# KiCad board Neopixel_Mini_Controller.kicad_pcb
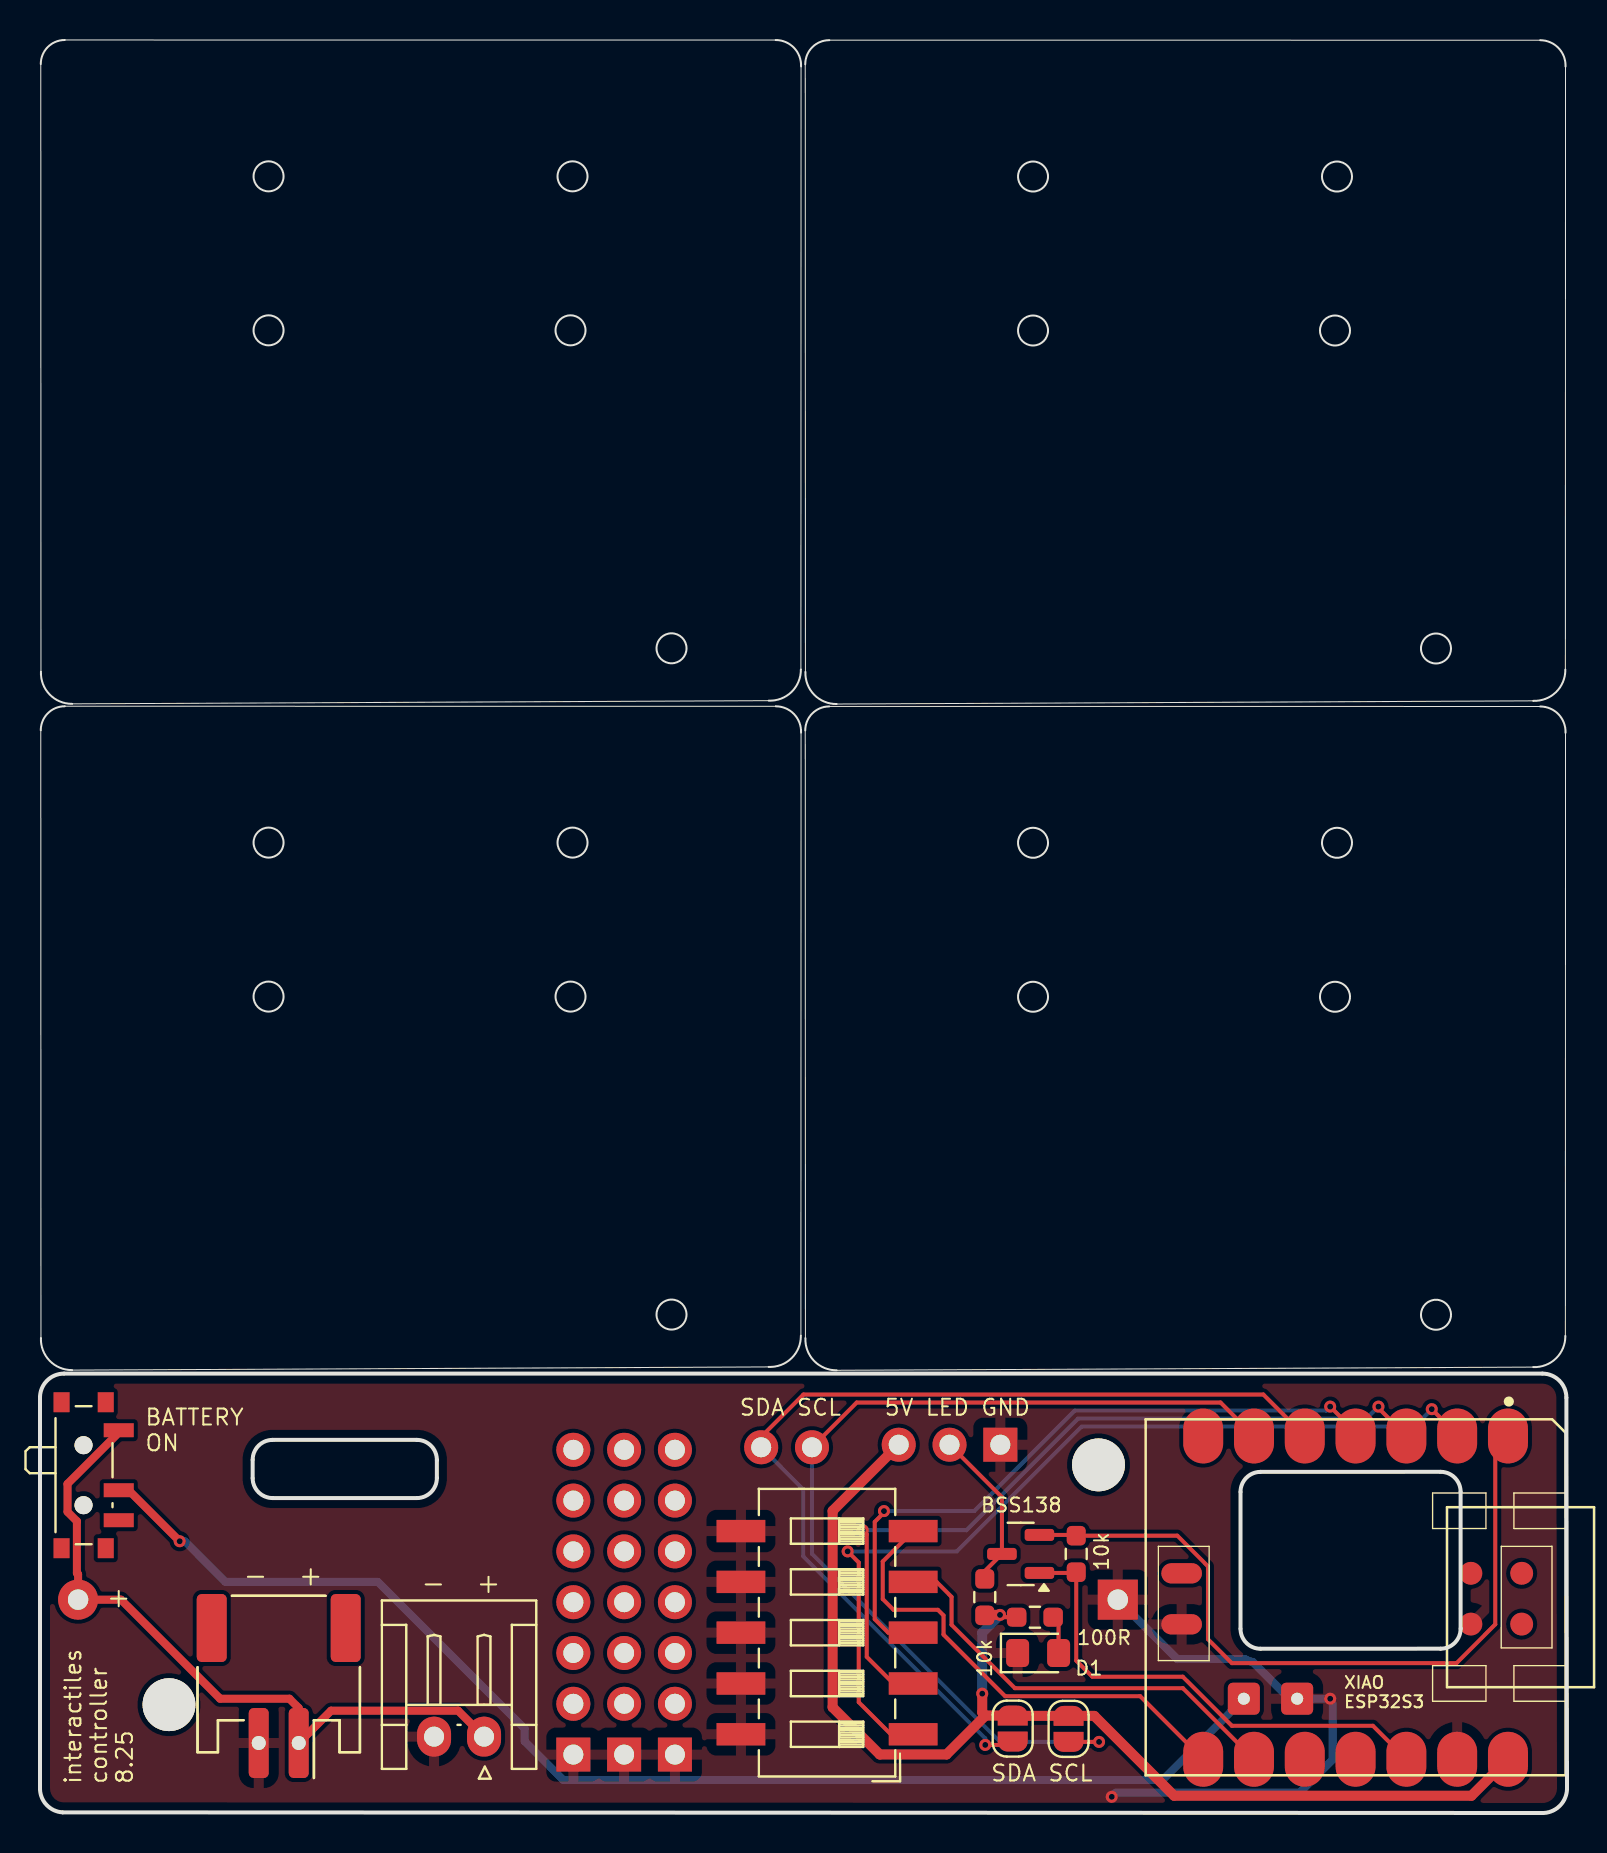
[diagram p0: board, top side]
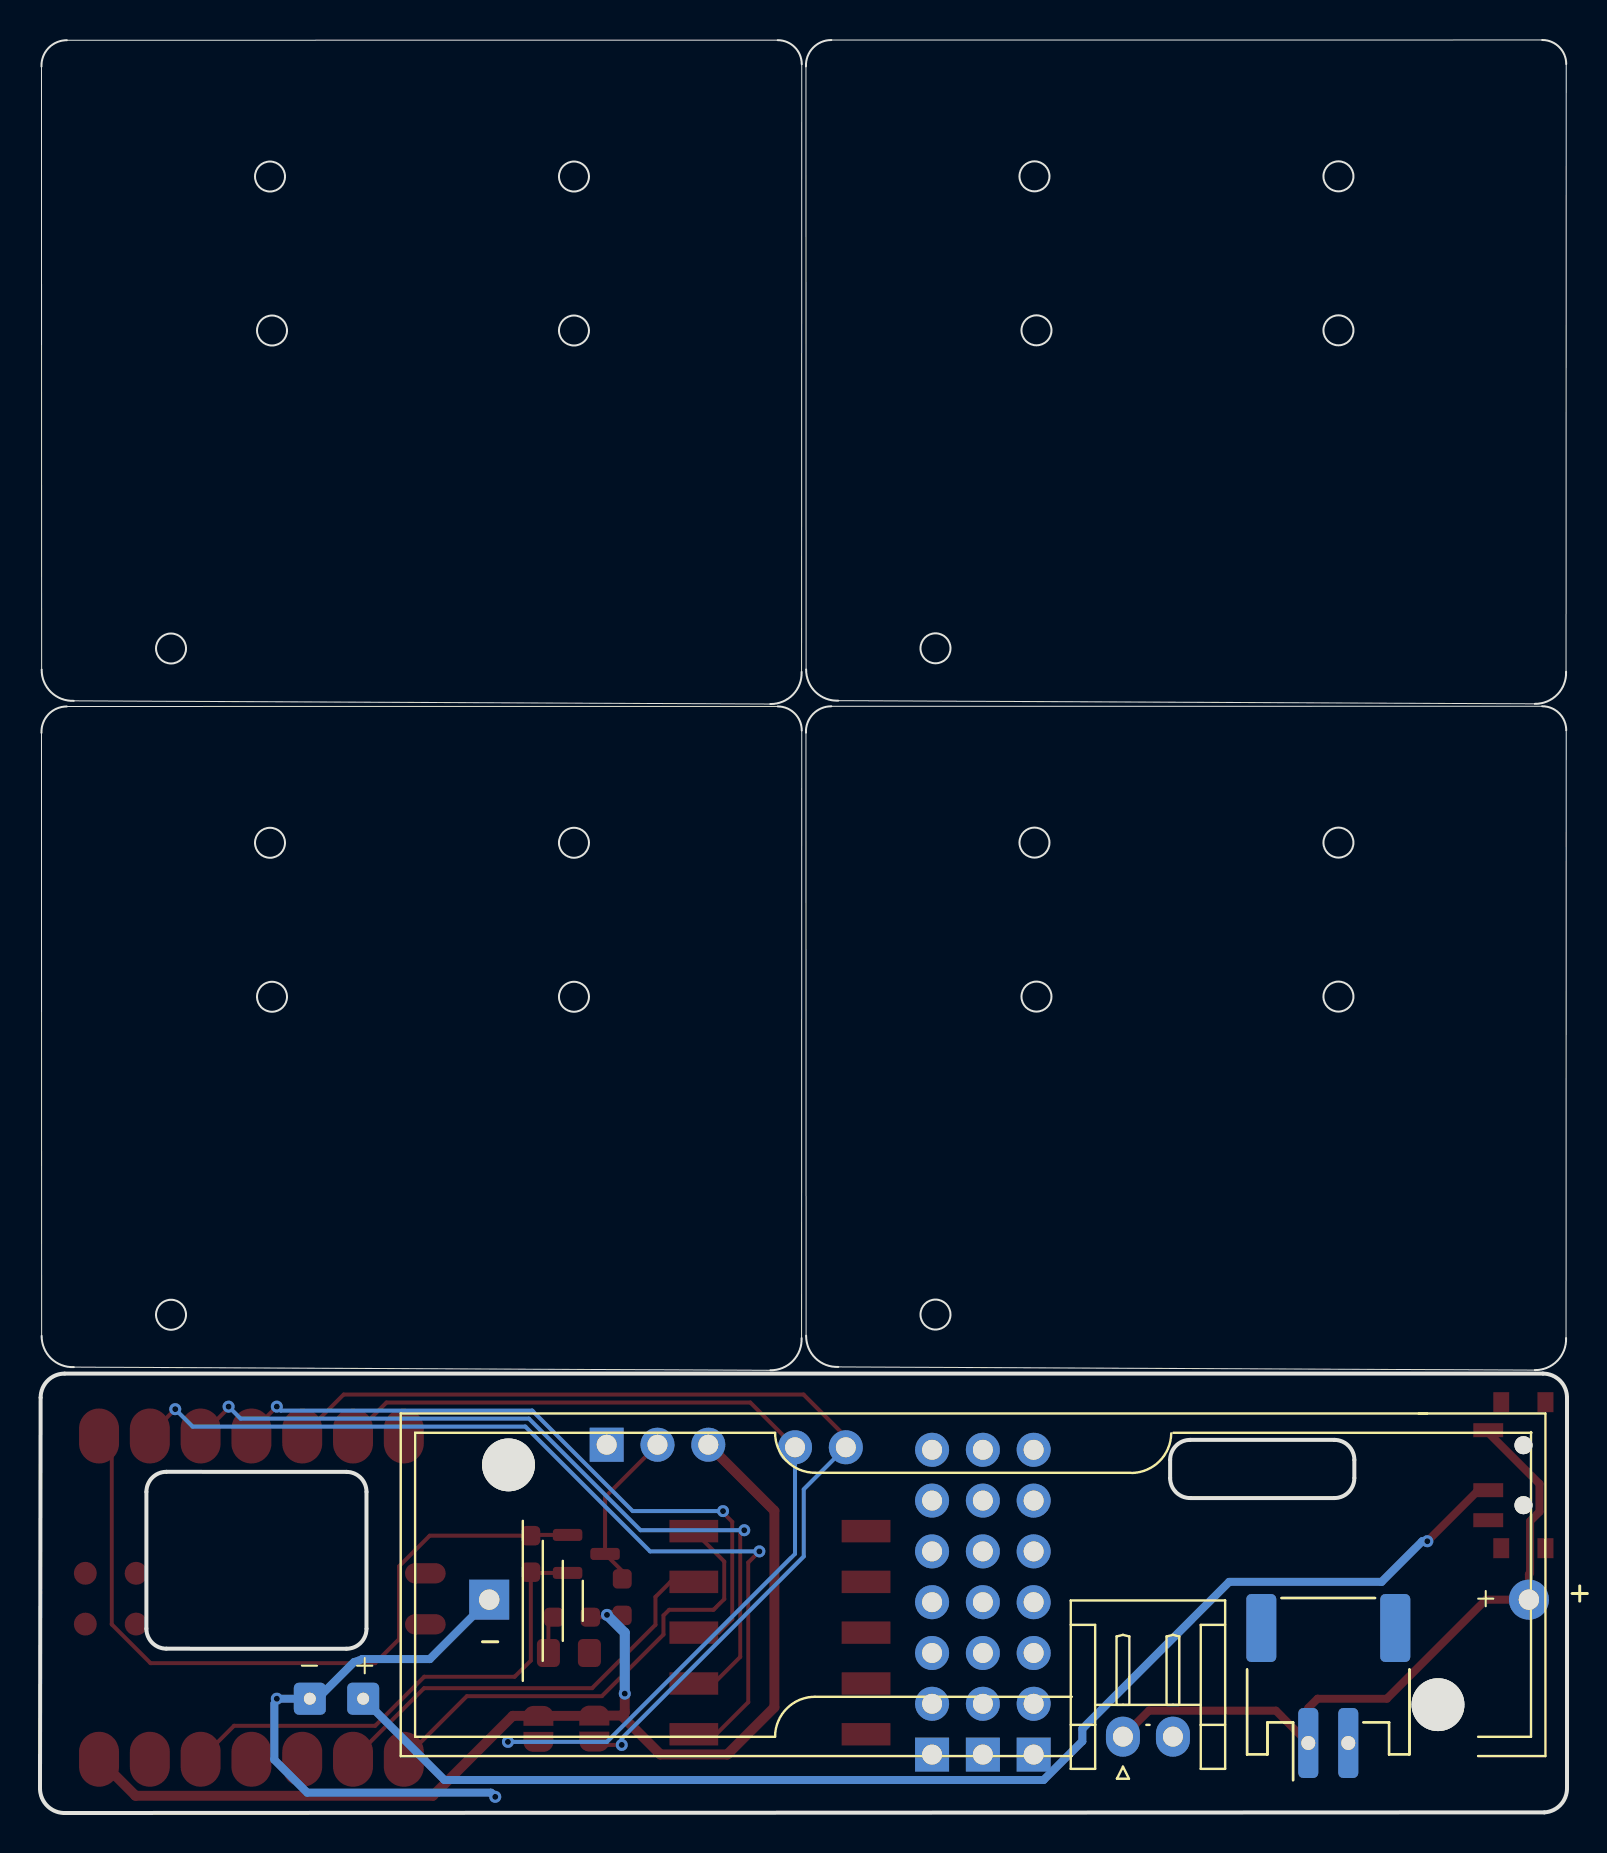
[diagram p1: board, bottom side, seen from below]

Outline 76.36 x 88.66 mm; copper layers: Top, Bottom. Coordinates in mm from the lower left corner of the outline.
Outline path: circle c11.43,81.84 r0.75 ; circle c11.43,74.14 r0.75 ; circle c11.43,48.52 r0.75 ; circle c11.43,40.82 r0.75 ; circle c26.53,74.14 r0.75 ; circle c26.53,40.82 r0.75 ; circle c26.63,81.84 r0.75 ; circle c26.63,48.52 r0.75 ; circle c31.58,58.24 r0.75 ; circle c31.58,24.92 r0.75 ; circle c49.66,81.83 r0.75 ; circle c49.66,74.13 r0.75 ; circle c49.66,48.51 r0.75 ; circle c49.66,40.81 r0.75 ; circle c64.76,74.13 r0.75 ; circle c64.76,40.81 r0.75 ; circle c64.86,81.83 r0.75 ; circle c64.86,48.51 r0.75 ; circle c69.81,58.23 r0.75 ; circle c69.81,24.91 r0.75 ; 38.05,57.18 arc(37.58,56.06) 36.44,55.62 1.61,55.46 arc(0.48,55.93) 0.05,57.07 0.04,87.46 arc(0.39,88.3) 1.24,88.66 36.79,88.65 arc(37.7,88.27) 38.06,87.34 38.05,57.18 ; 38.05,23.86 arc(37.58,22.74) 36.44,22.31 1.61,22.15 arc(0.48,22.61) 0.05,23.75 0.04,54.14 arc(0.39,54.99) 1.24,55.34 36.79,55.34 arc(37.7,54.95) 38.06,54.02 38.05,23.86 ; 76.28,57.17 arc(75.81,56.05) 74.67,55.61 39.83,55.45 arc(38.71,55.92) 38.28,57.06 38.27,87.45 arc(38.62,88.3) 39.47,88.65 75.02,88.65 arc(75.93,88.26) 76.28,87.33 76.28,57.17 ; 76.28,23.85 arc(75.81,22.73) 74.67,22.3 39.83,22.14 arc(38.71,22.6) 38.28,23.74 38.27,54.13 arc(38.62,54.98) 39.47,55.33 75.02,55.33 arc(75.93,54.94) 76.28,54.01 76.28,23.85 ; 0,20.77 arc(0.35,21.62) 1.2,21.97 75.13,21.97 arc(75.98,21.62) 76.33,20.77 76.36,1.23 arc(75.97,0.33) 75.06,0 1.13,0.03 arc(0.33,0.41) 0,1.23 0,20.77 ; 10.63,17.66 arc(10.93,18.36) 11.63,18.66 18.85,18.66 arc(19.55,18.36) 19.85,17.66 19.85,16.75 arc(19.55,16.04) 18.85,15.75 11.63,15.75 arc(10.93,16.04) 10.63,16.75 10.63,17.66 ; 60.03,16.06 arc(60.33,16.76) 61.03,17.06 70.04,17.06 arc(70.74,16.77) 71.04,16.06 71.04,9.22 arc(70.74,8.51) 70.04,8.22 61.03,8.21 arc(60.33,8.51) 60.03,9.21 60.03,16.06

## Placement (name value [footprint] x y rotation side)
BT1  Battery_Cell  [BatteryHolder_Keystone_2460_1xAA]  1.91 10.67 0 bottom
D1  LED  [LED_0805_2012Metric_Pad1.15x1.40mm_HandSolder]  49.91 8 0 top
J1  JST_02  [JST_EH_S2B-EH_1x02_P2.50mm_Horizontal]  19.71 3.82 0 top
J2  PINHD_1x3_Male  [PinHeader_1x03_P2.54mm_Vertical]  42.94 18.42 90 top
J3  PINHD_1x2_Male  [PinHeader_1x02_P2.54mm_Vertical]  36.06 18.29 90 top
J4  PINHD_2x5_Female  [Prototyping_pad]  31.75 2.92 180 top
J5  JST_02  [JST_PH_S2B-PH-SM4-TB_1x02-1MP_P2.00mm_Horizontal]  11.94 6.35 180 top
JP3  SolderJumper_2_Open  [SolderJumper-2_P1.3mm_Open_RoundedPad1.0x1.5mm]  48.64 4.22 90 top
JP4  SolderJumper_2_Open  [SolderJumper-2_P1.3mm_Open_RoundedPad1.0x1.5mm]  51.44 4.21 90 top
Q1  BSS138  [SOT-23]  49.04 12.95 180 top
R3  100R  [R_0603_1608Metric_Pad0.98x0.95mm_HandSolder]  49.75 9.79 180 top
R4  10k  [R_0603_1608Metric_Pad0.98x0.95mm_HandSolder]  51.82 12.95 270 top
R5  10k  [R_0603_1608Metric_Pad0.98x0.95mm_HandSolder]  47.24 10.8 270 top
SW2  SW_DIP_x05  [SW_DIP_SPSTx05_Slide_6.7x14.26mm_W8.61mm_P2.54mm_LowProfile]  39.36 9.02 180 top
SW3  Slide_Switch_SPDT_P3mm_10x5x10mm  [SW_SPDT_PCM12]  2.51 16.89 270 top
TP1  BAT2  [SolderWire-0.1sqmm_1x01_D0.4mm_OD1mm]  60.2 5.72 0 top
TP2  BAT1  [SolderWire-0.1sqmm_1x01_D0.4mm_OD1mm]  62.86 5.72 0 top
U2  SeeeduinoXIAO  [Seeeduino XIAO-MOUDLE14P-2.54-21X17.8MM]  55.29 19.69 270 top

## Library data of the parts
BT1 = -: Description: Single-cell battery
D1 = -: Description: Common 5mm diameter LED; ki_fp_filters: LED_D5.0mm_Clear LED_D5.0mm_Horizontal_O1.27mm_Z3.0mm LED_D5.0mm_Horizontal_O3.81mm_Z3.0mm LED_D5.0mm_Horizontal_O6.35mm_Z3.0mm
J1 J5 = -: Description: JST Connector  2 pins; ki_fp_filters: Connector_JST:JST_EH_S2B-EH_1x02_P2.50mm_Horizontal
J2 = -: Description: Pin Header male with pin space 2.54mm. Pin Count -3; ki_fp_filters: PinHeader_1x03_P2.54mm*
J3 = -: Description: Pin Header male with pin space 2.54mm. Pin Count -2; ki_fp_filters: PinHeader_1x02_P2.54mm*
J4 = -: Description: Pin Header female with pin space 2.54mm. Pin Count -10; ki_fp_filters: PinSocket_2x05_P2.54mm*
JP3 JP4 = -: Description: Solder Jumper, 2-pole, open; ki_fp_filters: SolderJumper*Open*
Q1 = -: Datasheet: https://www.onsemi.com/pub/Collateral/BSS138-D.PDF; Description: 50V Vds, 0.22A Id, N-Channel MOSFET, SOT-23; ki_fp_filters: SOT?23*
R3 = -: Description: 330Î©, 1/4W Resistor; ki_fp_filters: Resistor_THT:R_Axial_DIN0207_L6.3mm_D2.5mm*
R4 R5 = -: Description: 10kÎ©, 1/4W Resistor; ki_fp_filters: Resistor_THT:R_Axial_DIN0207_L6.3mm_D2.5mm*
SW2 = -: Description: 5x DIP Switch, Single Pole Single Throw (SPST) switch, small symbol; ki_fp_filters: SW?DIP?x5*
SW3 = -: Description: SPDT Slide Switch with 10mm length, 5mm width and 10mm hight.
TP1 TP2 = -: Description: test point; ki_fp_filters: Pin* Test*

## Footprints (pads in the part's own frame, mm; a bottom-side part is the same pattern mirrored in y, then rotated)
BatteryHolder_Keystone_2460_1xAA
  round 2.64 hole 2.64 unplated: (4.546,5.251) (51.026,-6.739)
  round 2 hole 1.02: 1(0,0)
  rect 2x2 hole 1.02: 2(51.99,0)
JST_EH_S2B-EH_1x02_P2.50mm_Horizontal
  oval 1.7x2 hole 1: 1(2.5,0) 2(0,0)
JST_PH_S2B-PH-SM4-TB_1x02-1MP_P2.00mm_Horizontal
  rrect 1x3.5 hole 0.7: 1(-1,2.85) 2(1,2.85)
  rrect 1.5x3.4 smd: MP(-3.35,-2.9) MP(3.35,-2.9)
  rrect 1.5x3.4 smd far side: MP(-3.35,-2.9) MP(3.35,-2.9)
LED_0805_2012Metric_Pad1.15x1.40mm_HandSolder
  rrect 1.15x1.4 smd: 1(-1.025,0) 2(1.025,0)
PinHeader_1x02_P2.54mm_Vertical
  round 1.7 hole 1: 1(0,0)
  oval 1.7x1.7 hole 1: 2(0,-2.54)
PinHeader_1x03_P2.54mm_Vertical
  oval 1.7x1.7 hole 1: 1(0,0) 2(0,-2.54)
  rect 1.7x1.7 hole 1: 3(0,-5.08)
Prototyping_pad
  rect 1.7x1.7 hole 1: 1(0,0) 2(2.54,0) 11(5.08,0)
  oval 1.7x1.7 hole 1: 3(0,-2.54) 4(2.54,-2.54) 5(0,-5.08) 6(2.54,-5.08) 7(0,-7.62) 8(2.54,-7.62) 9(0,-10.16) 10(2.54,-10.16) 12(0,-12.7) 13(5.08,-2.54) 14(0,-15.24) 15(5.08,-5.08) 16(2.54,-12.7) 17(5.08,-7.62) 18(2.54,-15.24) 19(5.08,-10.16) 20(5.08,-12.7) 20(5.08,-15.24)
R_0603_1608Metric_Pad0.98x0.95mm_HandSolder
  rrect 0.975x0.95 smd: 1(-0.912,0) 2(0.912,0)
Seeeduino XIAO-MOUDLE14P-2.54-21X17.8MM
  oval 2.748x1.999 smd: 1(0.833,18.118) 2(0.833,15.578) 3(0.833,13.038) 4(0.833,10.498) 5(0.833,7.958) 6(0.833,5.418) 7(0.833,2.878) 8(16.998,2.878) 9(16.998,5.418) 10(16.998,7.958) 11(16.998,10.498) 12(16.998,13.038) 13(16.998,15.578) 14(16.998,18.118)
  oval 1.016x2.032 smd: 15(7.7,1.8) 16(10.25,1.8)
  round 1.143 smd: 17(7.699,18.804) 18(10.239,18.804) 19(7.699,16.264) 20(10.239,16.264)
SolderJumper-2_P1.3mm_Open_RoundedPad1.0x1.5mm
  custom 1x1.5 smd: 1(-0.65,0) 2(0.65,0)
SolderWire-0.1sqmm_1x01_D0.4mm_OD1mm
  rrect 1.6x1.6 hole 0.6: 1(0,0)
SOT-23
  rrect 1.475x0.6 smd: 1(-0.938,0.95) 2(-0.938,-0.95) 3(0.938,0)
SW_DIP_SPSTx05_Slide_6.7x14.26mm_W8.61mm_P2.54mm_LowProfile
  rect 2.44x1.12 smd: 1(-4.305,5.08) 2(-4.305,2.54) 3(-4.305,0) 4(-4.305,-2.54) 5(-4.305,-5.08) 6(4.305,-5.08) 7(4.305,-2.54) 8(4.305,0) 9(4.305,2.54) 10(4.305,5.08)
SW_SPDT_PCM12
  rect 1x0.8 smd: (-3.65,0.78) (-3.65,-1.43) (3.65,0.78) (3.65,-1.43)
  round 0.9 hole 0.9 unplated: (-1.5,-0.33) (1.5,-0.33)
  rect 0.7x1.5 smd: 1(-2.25,1.43) 2(0.75,1.43) 3(2.25,1.43)

## Nets
+3V3: Q1.1 R4.2 U2.12
+5V: J2.1 JP3.2 JP4.2 R3.2 R5.2 U2.14
GND: BT1.2 D1.1 J1.2 J2.3 J4.1 J4.2 J4.11 J5.2 SW2.6 SW2.7 SW2.8 SW2.9 SW2.10 TP2.1 U2.13 U2.16 U2.20
DATA_3v3: Q1.2 R4.1 U2.1
DATA_5v: J2.2 Q1.3 R5.1
DIP_1: SW2.1 U2.2
DIP_2: SW2.2 U2.3
DIP_3: SW2.3 U2.4
DIP_4: SW2.4 U2.9
DIP_5: SW2.5 U2.8
SCL: J3.2 JP4.1 U2.6
SDA: J3.1 JP3.1 U2.5
Net-(BT1-+): BT1.1 J1.1 J5.1 SW3.1
Net-(D1-Pad2): D1.2 R3.1
Net-(SW3-Pad2): SW3.2 TP1.1

Pads without a net: J4 3 4 5 6 7 8 9 10 12 13 14 15 16 17 18 19 20; J5 MP; SW3 3; U2 7 10 11 15 17 18 19

## Via types
v1: diameter 0.6, hole 0.3, Top to Bottom, 13 vias

## Routing (per net, layer and track width the routed paths; a pad name or vN(x,y) marks a point on that pad's centre or on a via; arc(x,y) is an arc through that point)
+3V3: length 24.8
  Top w0.2: U2.12 66.65,4.36 59.6,4.36 57.14,6.81 52.62,6.81 51.82,7.62 R4.2 51.78,12 Q1.1
+5V: length 59.6
  Top w0.2: v1(48.01,9.91) 48.12,9.79 R3.2
  Top w0.5: 47.28,4.87 JP3.2 48.66,4.86 52.72,4.86 56.71,0.86 71.58,0.86 U2.14 ; 47.28,4.87 47.12,5.03 v1(47.12,5.97) ; 47.28,4.87 45.33,2.93 41.99,2.93 39.64,5.28 39.64,15.11 J2.1 ; v1(48.01,9.91) 47.27,9.91 R5.2
  Bottom w0.5: v1(47.12,5.97) 47.12,9.02 v1(48.01,9.91)
GND: length 27.3
  Bottom w0.4: v1(64.52,5.72) TP2.1 62.48,5.72 60.65,7.55 60.54,7.58 60.24,7.7 56.87,7.7 BT1.2 ; 64.64,5.46 64.64,2.67 62.99,1.02 53.8,1.02 v1(53.59,0.81)
DATA_3v3: length 38.1
  Top w0.2: U2.1 72.77,18.22 72.77,9.43 70.83,7.49 59.6,7.49 58.4,8.69 58.4,12.33 56.87,13.87 R4.1 51.78,13.9 Q1.2
DATA_5v: length 8.1
  Top w0.2: R5.1 47.24,12.1 Q1.3 48.1,15.79 J2.2
DIP_1: length 45.2
  Top w0.2: SW2.1 42.55,3.94 40.94,5.54 40.94,12.53 v1(40.39,13.08) ; U2.2 70.87,18.92 v1(69.6,20.19)
  Bottom w0.2: v1(69.6,20.19) 68.72,19.32 52.09,19.32 45.85,13.08 v1(40.39,13.08)
DIP_2: length 39.7
  Top w0.2: v1(41.14,14.14) 41.34,13.94 41.34,7.81 42.67,6.48 SW2.2 ; v1(66.93,20.32) 66.93,20.25 U2.3
  Bottom w0.2: v1(66.93,20.32) 66.33,19.72 51.91,19.72 46.33,14.14 v1(41.14,14.14)
DIP_3: length 34.3
  Top w0.2: v1(42.2,15.1) 42.2,15.02 41.74,14.56 41.74,9.69 42.42,9.02 SW2.3 ; U2.4 65.79,19.05 v1(64.52,20.32)
  Bottom w0.2: v1(64.52,20.32) 64.32,20.12 51.74,20.12 46.72,15.1 v1(42.2,15.1)
DIP_4: length 21.5
  Top w0.2: SW2.4 44.83,11.56 45.58,10.81 45.58,9.41 48.75,6.24 57.15,6.24 U2.9
DIP_5: length 23.9
  Top w0.2: U2.8 55.01,5.84 48.26,5.84 45.18,8.92 45.18,9.88 44.9,10.16 42.68,10.16 42.14,10.7 42.14,12.58 SW2.5
SCL: length 48.7
  Top w0.2: 51.42,3.57 JP4.1 v1(52.96,3.56) ; U2.6 59.03,20.53 40.84,20.53 39.09,18.78 38.57,18.78
  Bottom w0.2: v1(52.96,3.56) 48.01,3.56 38.6,12.96 38.6,18.29
SDA: length 50.4
  Top w0.2: v1(47.27,3.4) 48.47,3.4 JP3.1 ; U2.5 61.17,20.93 38.18,20.93 36.06,18.81 J3.1
  Bottom w0.2: v1(47.27,3.4) 47.27,3.73 38.17,12.83 38.17,16.18 J3.1
Net-(BT1-+): length 35.3
  Top w0.4: SW3.1 3.94,19.02 1.38,16.46 1.38,15.06 1.85,14.59 1.85,12 1.91,11.94 BT1.1 4.05,10.67 9,5.72 12.47,5.72 12.94,5.25 J5.1 14.56,5.12 20.91,5.12 J1.1
Net-(D1-Pad2): length 1.9
  Top w0.2: D1.2 50.94,9.52 R3.1
Net-(SW3-Pad2): length 64.3
  Top w0.4: v1(6.98,13.59) 4.43,16.14 SW3.2
  Bottom w0.4: TP1.1 56.13,1.65 26.17,1.65 24.24,3.59 24.24,4.21 16.89,11.56 9.27,11.56 7.24,13.59 v1(6.98,13.59)

## Copper pours and planes (outline as drawn; the poured copper is in the pictures)
GND on Top: -4.06,23.88 -3.81,23.75 -4.19,-2.79 80.01,-2.54 79.76,23.88

## Text on the board
B.Silkscreen: + | +  -
F.Silkscreen: XIAO / ESP32S3 | BSS138 | BATTERY / ON | SDA SCL | 5V LED GND | interactiles / controller / 8.25 | + | +  -
